# KiCad board fella.kicad_pcb (continued)
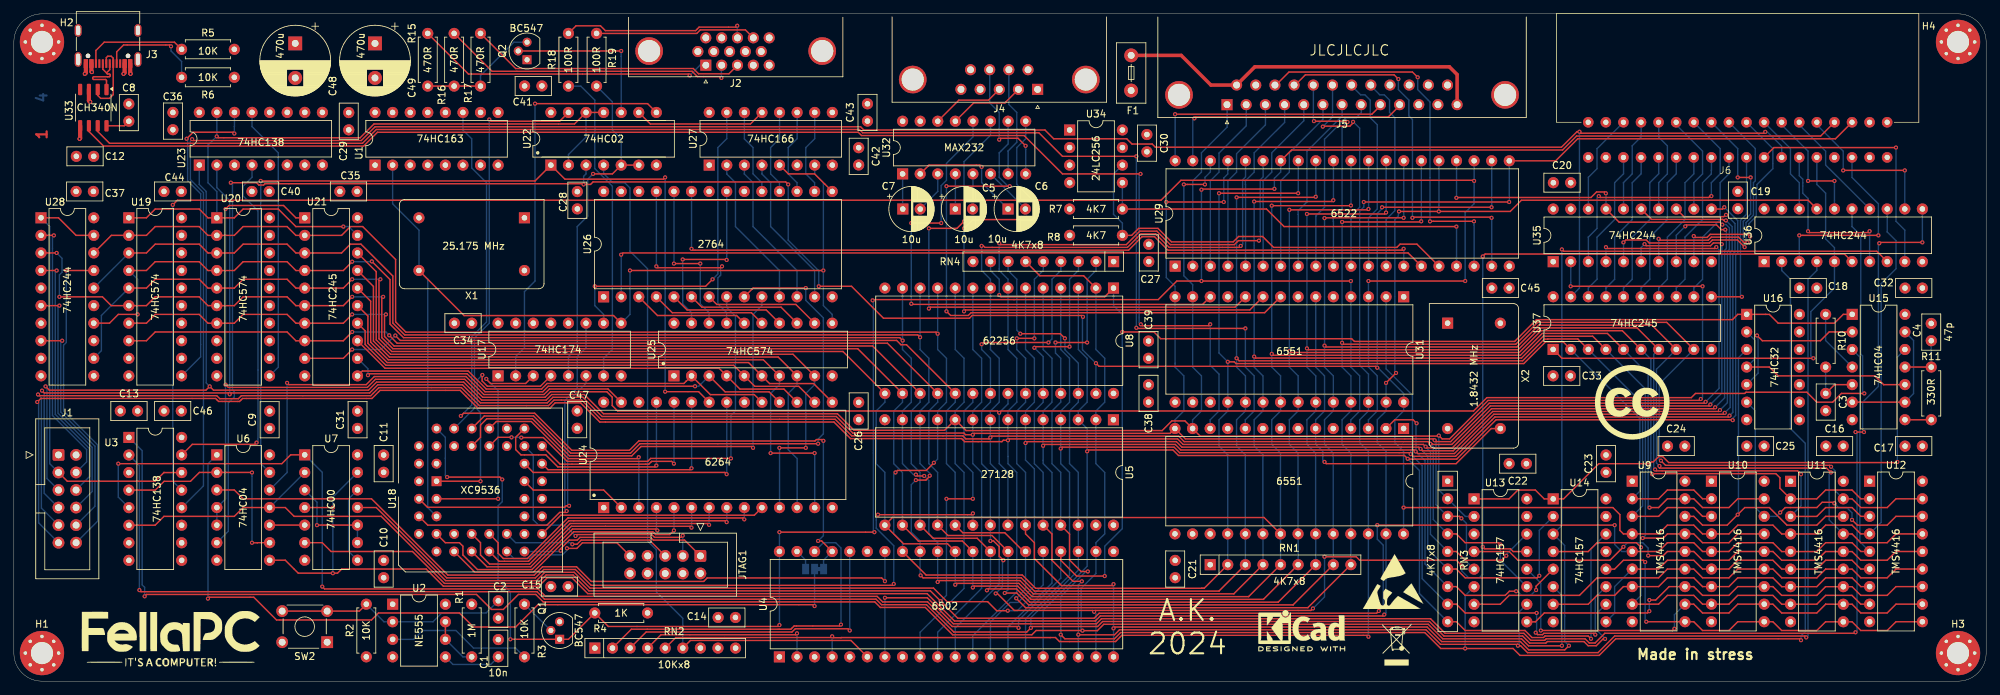
[diagram p0: board, top side]
## Nets
GND: C1.2 C2.2 C3.2 C4.2 C8.2 C9.2 C10.2 C11.2 C12.2 C13.2 C14.2 C15.2 C16.2 C17.2 C18.2 C19.2 C20.2 C21.2 C22.2 C23.2 C24.2 C25.2 C26.2 C27.2 C28.2 C29.2 C30.2 C31.2 C32.2 C33.2 C34.2 C35.2 C36.2 C37.2 C38.2 C39.2 C40.2 C41.2 C42.2 C43.2 C44.2 C45.2 C46.2 C47.2 C48.2 C49.2 H1.1 H2.1 H3.1 H4.1 J1.2 J2.0 J2.5 J2.6 J2.7 J2.8 J2.10 J3.A1 J3.A12 J3.B1 J3.B12 J3.S1 J4.0 J4.5 J5.0 J5.11 J5.12 J5.15 J5.22 J5.23 J5.24 J5.25 J6.1 J6.18 J6.19 J6.33 J6.36 JTAG1.10 Q1.3 R5.2 R6.2 SW2.1 U1.8 U2.1 U3.3 U3.8 U4.21 U5.14 U6.7 U7.7 U8.14 U9.1 U9.18 U10.1 U10.18 U11.1 U11.18 U12.1 U12.18 U13.3 U13.8 U13.15 U14.8 U14.13 U14.15 U15.7 U16.7 U16.9 U16.10 U16.12 U16.13 U17.8 U18.10 U18.23 U18.31 U19.9 U19.10 U20.8 U20.9 U20.10 U21.10 U22.7 U23.3 U23.5 U23.8 U24.1 U24.14 U24.20 U25.1 U25.10 U26.14 U26.20 U26.22 U27.6 U27.8 U28.10 U28.11 U28.13 U28.15 U29.1 U30.1 U30.16 U30.17 U31.1 U31.16 U31.17 U32.15 U33.3 U34.1 U34.2 U34.3 U34.4 U34.7 U35.1 U35.10 U35.19 U36.1 U36.10 U36.19 U37.10 X1.7 X2.7
VCC: C9.1 C10.1 C11.1 C12.1 C13.1 C14.1 C15.1 C16.1 C17.1 C18.1 C19.1 C20.1 C21.1 C22.1 C23.1 C24.1 C25.1 C26.1 C27.1 C28.1 C29.1 C30.1 C31.1 C32.1 C33.1 C34.1 C35.1 C36.1 C37.1 C38.1 C39.1 C40.1 C41.1 C42.1 C43.1 C44.1 C45.1 C46.1 C47.1 C48.1 C49.1 F1.2 J1.1 J3.A4 J3.A9 J3.B4 J3.B9 J6.2 J6.17 J6.20 J6.35 JTAG1.4 Q2.1 R1.1 R2.1 R4.2 R7.2 R8.2 RN1.1 RN2.1 RN3.1 RN4.1 U1.1 U1.3 U1.4 U1.5 U1.6 U1.7 U1.9 U1.10 U1.16 U2.4 U2.8 U3.16 U4.8 U5.1 U5.27 U5.28 U6.14 U7.14 U8.28 U9.9 U10.9 U11.9 U12.9 U13.16 U14.16 U15.14 U16.14 U17.1 U17.13 U17.14 U17.16 U18.21 U18.32 U18.41 U19.20 U20.20 U21.20 U22.14 U23.6 U23.16 U24.26 U24.28 U25.20 U26.1 U26.27 U26.28 U27.1 U27.9 U27.16 U28.20 U29.20 U30.15 U31.15 U32.16 U33.5 U34.8 U35.20 U36.20 U37.20 X1.1 X1.14 X2.1 X2.14
/clock//RST: J6.15 Q1.1 R4.1 U4.40 U18.39 U29.34 U30.4 U31.4
/clock/CLK: JP1.1 JP1.2 U1.11 U4.37 U6.1
/clock/PCLK: U1.2 U17.9 U18.5 U25.11 U27.7 X1.8
/cpu//IO0: U3.15 U23.4
/cpu//IO1: J1.3 U3.14 U28.1 U28.19
/cpu//IO2: U3.13 U29.23 U30.3 U31.3
/cpu//IO3: J6.30 U3.12 U37.19
/cpu//IRQ: J6.16 RN2.5 U4.4 U29.21 U30.26 U31.26
/cpu//NMI: RN2.6 U4.6 U22.4
/cpu//PH2: U3.4 U6.2 U6.9
/cpu//RAMCS: U7.6 U8.20 U9.5 U10.5 U11.5 U12.5 U15.3
/cpu//RD: U5.22 U6.4 U6.5 U8.22 U21.1 U36.15
/cpu//ROMCS: U5.20 U7.11
/cpu//SYNC: U4.7 U36.11
/cpu/A0: J1.5 RN3.2 U4.9 U5.10 U8.10 U13.2 U23.1 U29.38 U30.13 U31.13 U35.2
/cpu/A1: J1.7 RN3.3 U4.10 U5.9 U8.9 U13.5 U23.2 U29.37 U30.14 U31.14 U35.4
/cpu/A2: J1.9 RN3.4 U4.11 U5.8 U8.8 U13.11 U29.36 U35.6
/cpu/A3: J1.11 RN3.5 U4.12 U5.7 U8.7 U13.14 U29.35 U35.8
/cpu/A4: RN3.6 U4.13 U5.6 U8.6 U14.2 U29.24 U35.17
/cpu/A5: RN3.7 U4.14 U5.5 U8.5 U14.5 U30.2 U35.15
/cpu/A6: RN3.8 U4.15 U5.4 U8.4 U14.11 U31.2 U35.13
/cpu/A7: RN3.9 U4.16 U5.3 U8.3 U14.14 U35.11
/cpu/A8: RN4.2 U4.17 U5.25 U8.25 U13.6 U36.2
/cpu/A9: RN4.3 U4.18 U5.24 U8.24 U13.10 U36.4
/cpu/A10: RN4.4 U4.19 U5.21 U8.21 U13.13 U36.6
/cpu/A11: RN4.5 U4.20 U5.23 U8.23 U14.3 U36.8
/cpu/A12: RN4.6 U3.1 U4.22 U5.2 U8.2 U14.6
/cpu/A13: RN4.7 U3.2 U4.23 U5.26 U8.26 U14.10
/cpu/A14: RN4.8 U3.5 U4.24 U7.1 U8.1 U15.1 U16.1
/cpu/A15: U3.6 U4.25 U6.11 U7.2
/cpu/D0: RN1.2 U4.33 U5.11 U8.11 U9.2 U10.2 U19.2 U20.2 U21.2 U28.18 U29.33 U30.18 U31.18 U37.2
/cpu/D1: RN1.3 U4.32 U5.12 U8.12 U9.3 U10.3 U19.3 U20.3 U21.3 U28.16 U29.32 U30.19 U31.19 U37.3
/cpu/D2: RN1.4 U4.31 U5.13 U8.13 U9.15 U10.15 U19.4 U20.4 U21.4 U28.14 U29.31 U30.20 U31.20 U37.4
/cpu/D3: RN1.5 U4.30 U5.15 U8.15 U9.17 U10.17 U19.5 U20.5 U21.5 U28.12 U29.30 U30.21 U31.21 U37.5
/cpu/D4: RN1.6 U4.29 U5.16 U8.16 U11.2 U12.2 U19.6 U20.6 U21.6 U28.3 U29.29 U30.22 U31.22 U37.6
/cpu/D5: RN1.7 U4.28 U5.17 U8.17 U11.3 U12.3 U19.7 U20.7 U21.7 U29.28 U30.23 U31.23 U37.7
/cpu/D6: RN1.8 U4.27 U5.18 U8.18 U11.15 U12.15 U19.8 U21.8 U29.27 U30.24 U31.24 U37.8
/cpu/D7: RN1.9 U4.26 U5.19 U8.19 U11.17 U12.17 U21.9 U29.26 U30.25 U31.25 U37.9
/cpu/PH2: U6.8 U7.4 U7.13 U29.25 U30.27 U31.27 U36.17
/cpu/R/W: U6.6 U8.27 U9.4 U10.4 U11.4 U12.4 U22.3 U29.22 U30.28 U31.28 U36.13
/io/ROMSEL0: U26.23 U29.14
/io/ROMSEL1: U26.2 U29.15
/io/RX: U30.12 U33.6
/io/TX: U30.10 U33.7
/io/~{CTS}: U30.9
/io/~{RTS}: U30.8
/memory/DA0: U9.14 U10.14 U11.14 U12.14 U13.4
/memory/DA1: U9.13 U10.13 U11.13 U12.13 U13.7
/memory/DA2: U9.12 U10.12 U11.12 U12.12 U13.9
/memory/DA3: U9.11 U10.11 U11.11 U12.11 U13.12
/memory/DA4: U9.8 U10.8 U11.8 U12.8 U14.4
/memory/DA5: U9.7 U10.7 U11.7 U12.7 U14.7
/memory/DA6: U9.6 U10.6 U11.6 U12.6 U14.9
/memory/DA7: U9.10 U10.10 U11.10 U12.10 U14.12
/vga/BLANK: U17.2 U22.8
/vga/COL3: U18.18 U19.19 U24.10
/vga/COL4: U18.14 U19.18 U24.9
/vga/COL5: U18.13 U19.17 U24.8
/vga/COL6: U18.12 U19.16 U24.7
/vga/COL7: U18.11 U19.15 U24.6
/vga/COL8: U18.9 U19.14 U24.5
/vga/COL9: U18.8 U19.13 U24.4
/vga/GD0: U21.18 U24.11 U25.9
/vga/GD1: U21.17 U24.12 U25.8
/vga/GD2: U21.16 U24.13 U25.7
/vga/GD3: U21.15 U24.15 U25.6
/vga/GD4: U21.14 U24.16 U25.5
/vga/GD5: U21.13 U24.17 U25.4
/vga/GD6: U21.12 U24.18 U25.3
/vga/GD7: U21.11 U24.19 U25.2
/vga/HSYNC: R18.1 U17.7
/vga/ROW0: U18.36 U26.10
/vga/ROW1: U18.35 U26.9
/vga/ROW2: U18.34 U26.8
/vga/ROW3: U18.33 U20.19 U24.3
/vga/ROW4: U18.29 U20.18 U24.25
/vga/ROW5: U18.28 U20.17 U24.24
/vga/ROW6: U18.27 U20.16 U24.21
/vga/ROW7: U18.26 U20.15 U24.23
/vga/ROW8: U18.25 U20.14 U24.2
/vga/VSYNC: R19.1 U17.5 U22.5 U22.6
/vga/~{LOAD}: U17.10 U27.15
Net-(C3-Pad1): C3.1 R10.2 U15.5
Net-(C4-Pad1): C4.1 R11.2 U15.11
Net-(J1-Pin_4): J1.4 U28.2
Net-(J1-Pin_6): J1.6 U28.4
Net-(J1-Pin_8): J1.8 U28.6
Net-(J1-Pin_10): J1.10 U28.8
Net-(J1-Pin_12): J1.12 U28.17
Net-(J2-Pad1): J2.1 R15.2
Net-(J2-Pad2): J2.2 R16.2
Net-(J2-Pad3): J2.3 R17.2
Net-(J2-Pad13): J2.13 R18.2
Net-(J2-Pad14): J2.14 R19.2
Net-(J3-CC1): J3.A5 R6.1
Net-(J3-CC2): J3.B5 R5.1
Net-(J5-P14): F1.1 J5.13 J5.14
Net-(J5-P16): J5.16 U29.18
Net-(J5-P17): J5.17 U29.19
Net-(J5-P18): J5.18 U29.10
Net-(J5-P19): J5.19 U29.11
Net-(J5-P20): J5.20 U29.12
Net-(J5-P21): J5.21 U29.13
Net-(J6-Pin_3): J6.3 U35.18
Net-(J6-Pin_4): J6.4 U35.16
Net-(J6-Pin_5): J6.5 U35.14
Net-(J6-Pin_6): J6.6 U35.12
Net-(J6-Pin_7): J6.7 U35.3
Net-(J6-Pin_8): J6.8 U35.5
Net-(J6-Pin_9): J6.9 U35.7
Net-(J6-Pin_10): J6.10 U35.9
Net-(J6-Pin_11): J6.11 U36.18
Net-(J6-Pin_12): J6.12 U36.16
Net-(J6-Pin_13): J6.13 U36.14
Net-(J6-Pin_14): J6.14 U36.12
Net-(J6-Pin_21): J6.21 U37.18
Net-(J6-Pin_22): J6.22 U37.17
Net-(J6-Pin_23): J6.23 U37.16
Net-(J6-Pin_24): J6.24 U37.15
Net-(J6-Pin_25): J6.25 U37.14
Net-(J6-Pin_26): J6.26 U37.13
Net-(J6-Pin_27): J6.27 U37.12
Net-(J6-Pin_28): J6.28 U37.11
Net-(J6-Pin_29): J6.29 U36.9
Net-(J6-Pin_31): J6.31 U36.7
Net-(J6-Pin_32): J6.32 U36.5 U37.1
Net-(J6-Pin_34): J6.34 U36.3
Net-(JP1-B): JP1.3 U4.39
Net-(JTAG1-Pin_1): JTAG1.1 U18.17
Net-(JTAG1-Pin_3): JTAG1.3 U18.30
Net-(JTAG1-Pin_5): JTAG1.5 U18.16
Net-(JTAG1-Pin_9): JTAG1.9 U18.15
Net-(Q1-B): Q1.2 R3.2
Net-(Q2-B): Q2.2 U22.10
Net-(Q2-E): Q2.3 R15.1 R16.1 R17.1
Net-(R10-Pad1): R10.1 U15.4
Net-(R11-Pad1): R11.1 U15.8
Net-(RN2-R1): RN2.2 U4.38
Net-(RN2-R2): RN2.3 U4.36
Net-(RN2-R3): RN2.4 U4.2
Net-(U2-CV): C1.1 U2.5
Net-(U2-DIS): R1.2 U2.6 U2.7
Net-(U2-Q): R3.1 U2.3
Net-(U2-TR): C2.1 R2.2 SW2.2 U2.2
Net-(U4-R/~{W}): U4.34 U6.3
Net-(U6-Pad10): U6.10 U7.5
Net-(U7-Pad10): U7.3 U7.9 U7.10
Net-(U7-Pad12): U7.8 U7.12
Net-(U10-~{CAS}): U10.16 U12.16 U16.6
Net-(U11-~{CAS}): U9.16 U11.16 U16.3
Net-(U13-S): U13.1 U14.1 U15.12
Net-(U15-Pad2): U15.2 U16.5
Net-(U15-Pad10): U15.10 U16.2 U16.4
Net-(U15-Pad13): U15.6 U15.9 U15.13
Net-(U17-D0): U17.3 U18.3
Net-(U17-D1): U17.4 U18.1
Net-(U17-D2): U17.6 U18.2
Net-(U17-D3): U17.11 U18.4
Net-(U18-M8-Pad37): U18.37 U22.13
Net-(U19-Cp): U19.11 U23.14
Net-(U19-OE): U19.1 U20.1 U21.19 U22.2 U22.11 U22.12 U23.15
Net-(U20-Cp): U20.11 U23.13
Net-(U24-~{OE}): U6.13 U22.1 U24.22
Net-(U24-~{WR}): U6.12 U24.27
Net-(U25-Q0): U25.19 U26.21
Net-(U25-Q1): U25.18 U26.24
Net-(U25-Q2): U25.17 U26.25
Net-(U25-Q3): U25.16 U26.3
Net-(U25-Q4): U25.15 U26.4
Net-(U25-Q5): U25.14 U26.5
Net-(U25-Q6): U25.13 U26.6
Net-(U25-Q7): U25.12 U26.7
Net-(U26-D0): U26.11 U27.2
Net-(U26-D1): U26.12 U27.3
Net-(U26-D2): U26.13 U27.4
Net-(U26-D3): U26.15 U27.5
Net-(U26-D4): U26.16 U27.10
Net-(U26-D5): U26.17 U27.11
Net-(U26-D6): U26.18 U27.12
Net-(U26-D7): U26.19 U27.14
Net-(U27-Qh): U22.9 U27.13
Net-(U29-CA1): J5.9 U29.40
Net-(U29-CA2): J5.10 U29.39
Net-(U29-PA0): J5.1 U29.2
Net-(U29-PA1): J5.2 U29.3
Net-(U29-PA2): J5.3 U29.4
Net-(U29-PA3): J5.4 U29.5
Net-(U29-PA4): J5.5 U29.6
Net-(U29-PA5): J5.6 U29.7
Net-(U29-PA6): J5.7 U29.8
Net-(U29-PA7): J5.8 U29.9
Net-(U29-PB6): R8.1 U29.16 U34.6
Net-(U29-PB7): R7.1 U29.17 U34.5
Net-(U30-XTAL1): U30.6 U31.6 X2.8
Net-(U31-RxD): U31.12 U32.12
Net-(U31-TxD): U31.10 U32.11
Net-(U31-~{CTS}): U31.9 U32.9
Net-(U31-~{RTS}): U31.8 U32.10
Net-(U32-C1+): C7.1 U32.1
Net-(U32-C1-): C7.2 U32.3
Net-(U32-C2+): C5.1 U32.4
Net-(U32-C2-): C5.2 U32.5
Net-(U32-R1IN): J4.2 U32.13
Net-(U32-R2IN): J4.8 U32.8
Net-(U32-T1OUT): J4.3 U32.14
Net-(U32-T2OUT): J4.7 U32.7
Net-(U32-VS+): C6.1 U32.2
Net-(U32-VS-): C6.2 U32.6
Net-(U33-UD+): J3.A6 J3.B6 U33.1
Net-(U33-UD-): J3.A7 J3.B7 U33.2
Net-(U33-V3): C8.1 U33.8

Pads without a net: J2 4 9 11 12 15; J3 A8 B8; J4 1 4 6 9; JTAG1 2 6 7 8; RN2 7 8 9; RN4 9; U1 12 13 14 15; U3 7 9 10 11; U4 1 3 5 35; U16 8 11; U17 12 15; U18 6 7 19 20 22 24 38 40 42 43 44; U19 12; U20 12 13; U23 7 9 10 11 12; U26 26; U28 5 7 9; U30 5 7 11; U31 5 7 11; U33 4

## Via types
v1: diameter 0.6, hole 0.3, Top to Bottom, 386 vias

## Routing (per net, layer and track width the routed paths; a pad name or vN(x,y) marks a point on that pad's centre or on a via; arc(x,y) is an arc through that point)
GND: length 11.9
  Top w0.6: 16.8,89.32 16.8,87.91 v1(16.86,87.85) ; v1(10.26,87.85) 10.41,87.99 J3.A12 ; v1(11.02,83.78) 10.84,83.96 U33.3
  In2.Cu w0.5: J2.10 109.12,89.92 J2.5 ; J2.8 J2.7 J2.6
VCC: length 4.7
  Top w0.6: U33.5 9.58,78.53 v1(9.5,78.45) ; v1(15.85,87.85) 16,88 16,89.32 ; J3.A9 11.2,88.17 v1(11.28,88.1)
/clock//RST: length 345.1
  Top w0.2: v1(62.58,29.52) 70.2,29.52 v1(70.55,29.17) ; v1(71.73,6.06) Q1.1 80.11,6.06 R4.1 85.88,7.91 110.39,7.91 v1(110.59,8.11) ; v1(171.55,71.08) 171.64,71.17 182.06,71.17 v1(182.09,71.21) ; v1(124.31,21.55) v1(110.59,21.55) ; J6.15 261,78.85 225.74,78.85 223.72,76.83 184.56,76.83 U29.34 ; v1(124.05,55.08) 124.16,55.19 165.31,55.19 167.99,57.87 v1(171.55,57.87) v1(193.14,57.87)
  Bottom w0.2: v1(71.73,6.06) 71.73,12.92 69.95,14.69 69.95,25.36 70.55,25.96 v1(70.55,29.17) ; U18.39 62.33,35.27 62.33,29.77 v1(62.58,29.52) ; v1(110.59,21.55) U4.40 v1(110.59,8.11) ; v1(124.05,55.08) 124.16,54.97 124.16,21.7 v1(124.31,21.55) ; U30.4 193.13,37.8 194.41,39.08 194.41,44.16 193.14,45.43 193.15,45.43 U31.4 193.15,57.87 v1(193.14,57.87) ; v1(171.55,57.87) v1(171.55,71.08) ; U29.34 183,73.64 182.09,72.73 v1(182.09,71.21)
/clock/CLK: length 242.6
  Top w0.2: v1(28.04,11.94) 28.24,12.14 34.66,12.14 37.95,8.85 51.66,8.85 52.68,9.87 64.36,9.87 66.39,7.84 72.49,7.84 75.72,11.06 115.47,11.06 v1(115.67,10.86) ; v1(116.94,34.76) 116.76,34.94 115.93,34.94 115.73,34.74 90.28,34.74 88.92,33.39 80.6,33.39 75.24,38.75 64.97,38.75 v1(64.57,38.36) ; U4.37 116.69,20.28 v1(116.18,20.28)
  Bottom w0.2: v1(115.67,10.86) JP1.2 JP1.1 116.97,17.52 U4.37 ; v1(116.18,20.28) 116.94,21.04 v1(116.94,34.76) ; v1(28.04,11.94) 28.04,31.45 U6.1 ; v1(64.57,38.36) 66.14,39.93 66.14,49.8 68.28,51.94 68.28,72.1 66.14,74.24 66.14,78.45 64.88,79.71 U1.11
/clock/PCLK: length 145.8
  Top w0.2: U17.9 86.63,52.88 65.04,52.88 X1.8 ; v1(89,59.4) v1(116.94,59.4)
  Bottom w0.2: U25.11 118.22,53.04 116.94,54.32 v1(116.94,59.4) 116.94,72.1 115.67,73.37 115.69,73.39 U27.7 ; v1(89,59.4) 89,53.05 U17.9 ; U1.2 54.72,69.05 58.52,65.24 X1.8 59.79,58.13 59.79,25.11 U18.5
/cpu//IO0: length 53.2
  Top w0.2: v1(35.06,34.51) 34.81,34.25 25.78,34.25 U3.15
  Bottom w0.2: v1(35.06,34.51) 35.26,34.71 35.26,68.03 33.12,70.17 33.12,71.59 34.41,72.88 U23.4
/cpu//IO1: length 65.4
  Top w0.2: U28.19 8.99,64.48 6.45,67.02 U28.1 ; J1.3 7.72,28.92 20.42,28.92 21.69,30.19 21.7,30.17 U3.14
  Bottom w0.2: U28.1 5.18,65.76 5.18,31.46 J1.3
/cpu//IO2: length 285.6
  Top w0.2: v1(195.68,57.87) v1(209.65,57.87) ; v1(22.96,68.89) 23.63,69.56 165.71,69.56 168.59,72.44 210.85,72.44 v1(210.94,72.35)
  Bottom w0.2: U30.3 195.67,37.8 196.95,39.08 196.95,44.16 195.68,45.43 195.68,45.43 195.68,57.87 v1(195.68,57.87) ; U3.13 22.96,28.91 v1(22.96,68.89) ; v1(209.65,57.87) 209.65,67.78 210.92,69.05 210.92,69.56 210.94,69.58 v1(210.94,72.35) U29.23
/cpu//IO3: length 315.2
  Top w0.2: v1(253,79.45) 252.8,79.25 226.38,79.25 v1(226.16,79.46) 225.79,79.46 223.55,77.23 164.9,77.23 164.44,77.69 161.52,77.69 160.76,78.45 150.21,78.45 148.94,79.72 122.78,79.72 122.31,80.19 52.19,80.19 50.2,78.19 25.95,78.19 v1(25.75,78.39)
  Bottom w0.2: U3.12 27.39,28.24 27.39,70.66 25.5,72.55 25.5,78.14 v1(25.75,78.39) ; J6.30 255.37,77.36 253.28,79.45 v1(253,79.45) ; U37.19 226.16,56.86 v1(226.16,79.46)
/cpu//IRQ: length 249.5
  Top w0.2: J6.16 263.14,78.45 225.91,78.45 222.72,75.26 U29.21 ; RN2.5 95.62,6.31 118.03,6.31 v1(118.21,6.49) 118.41,6.29 119.48,6.29 119.5,6.31 149.7,6.31 149.71,6.31 150.47,6.31 151.05,5.73 159.14,5.73 160.05,6.63 195.48,6.63 v1(195.68,6.43) ; v1(195.01,69.3) v1(216,69.3)
  Bottom w0.2: v1(195.01,69.3) 195.01,68.58 194.41,67.98 194.41,45.68 195.68,44.41 195.68,39.08 194.41,37.81 194.41,34.51 195.67,33.25 U30.26 195.67,7.08 195.68,7.07 v1(195.68,6.43) ; v1(216,69.3) 216.02,69.32 U29.21 ; v1(118.21,6.49) U4.4
/cpu//NMI: length 103.7
  Top w0.2: U4.6 120.92,5.89 97.73,5.89 RN2.6
  Bottom w0.2: RN2.6 96.63,9.09 92.81,12.92 92.81,19.01 91.54,20.28 91.54,59.65 89,62.19 89,71.34 88.24,72.1 86.52,72.1 85.19,73.42 U22.4
/cpu//PH2: length 31.6
  Top w0.2: 36.94,20.03 35.18,20.03 35.16,20.01 v1(34.4,20.01) ; U3.4 20.43,27.63 21.7,28.9 25.51,28.9 26.8,30.19 U6.2 34.38,30.19 v1(34.4,30.17)
  Bottom w0.2: v1(34.4,20.01) v1(34.4,30.17)
/cpu//RAMCS: length 317.2
  Top w0.2: v1(197.18,10.15) 196.86,9.83 156.78,9.83 156.06,9.11 136.35,9.11 v1(133.89,11.57) 132.4,13.06 83.07,13.06 80.78,15.35 76.87,15.35 75.67,14.14 62.2,14.14 57.58,18.76 45.82,18.76 44.55,20.03 U7.6 ; v1(138.53,26.38) v1(134.72,26.38) ; U12.5 266.8,18.76 265.53,20.03 261.72,20.03 260.44,18.75 U11.5 255.38,18.75 254.1,20.03 249.02,20.03 247.75,18.76 U10.5 243.94,18.76 242.67,20.03 238.86,20.03 237.59,18.76 U9.5 ; v1(196.95,22.57) v1(231.24,22.57)
  Bottom w0.2: v1(231.24,22.57) 231.24,19.77 232.26,18.76 U9.5 ; v1(134.72,26.38) 134.72,12.41 v1(133.89,11.57) ; U12.5 266.66,20.17 266.66,46.87 U15.3 ; v1(197.18,10.15) 197.81,10.78 197.81,19.68 196.95,20.54 v1(196.95,22.57) ; v1(138.53,26.38) 138.53,30.19 137.26,31.46 137.26,39.08 138.53,40.35 U8.20
/cpu//RD: length 349.3
  Top w0.2: U21.1 40.75,67.01 38.96,68.8 31.09,68.8 v1(30.58,68.29) ; v1(30.58,42.89) 30.98,42.49 51.07,42.49 52.24,43.66 65.14,43.66 67.74,41.06 76.73,41.06 77.53,41.86 85.66,41.86 86.44,41.09 86.44,39.86 87.22,39.08 142.09,39.08 v1(142.34,38.82) 142.59,39.08 210.86,39.08 212.79,41.01 242.31,41.01 242.92,41.62 250.04,41.62 250.21,41.79 259,41.79 260.45,40.35 262.74,40.35 264.01,41.62 v1(267.31,41.62)
  Bottom w0.2: U8.22 143.61,40.09 v1(142.34,38.82) 142.34,31.45 143.62,30.17 143.6,30.15 U5.22 ; v1(30.58,68.29) v1(30.58,42.89) 30.58,26.37 U6.4 U6.5 ; 265.53,68.3 265.53,65.75 265.53,65.75 266.8,64.48 266.8,47.3 267.06,47.04 267.06,41.87 v1(267.31,41.62)
/cpu//ROMCS: length 109.9
  Top w0.2: U7.11 52.36,25.11 62.53,14.94 75.34,14.94 76.54,16.15 81.12,16.15 83.4,13.86 126.91,13.86 v1(127.11,14.06) ; v1(138.54,24.27) 138.35,24.08 v1(124.82,24.08)
  Bottom w0.2: v1(127.11,14.06) 127.11,19.6 124.57,22.14 124.57,23.82 v1(124.82,24.08) ; v1(138.54,24.27) 138.54,22.59 U5.20
/cpu//SYNC: length 222.7
  Top w0.2: v1(125.83,12.06) 131.96,12.06 135.72,8.31 156.39,8.31 157.11,9.03 204.65,9.03 206.75,6.93 218.12,6.93 219.14,5.91 221.14,5.91 221.35,6.13 226.98,6.13 227.58,5.53 228.42,5.53 229.82,6.93 265.89,6.93 v1(266.04,7.07) ; v1(266.04,36.03) v1(267.26,36.03) ; v1(275.69,63.46) 269.59,63.46 v1(269.47,63.34)
  Bottom w0.2: 275.7,68.3 275.7,63.47 v1(275.69,63.46) ; U4.7 v1(125.83,12.06) ; v1(266.04,7.07) 266.26,7.3 266.26,35.81 v1(266.04,36.03) ; v1(269.47,63.34) 269.34,63.21 269.34,42.63 267.06,40.35 267.06,36.23 v1(267.26,36.03)
/cpu/A0: length 452.4
  Top w0.2: v1(4.58,42.63) 5.13,42.09 27.75,42.09 v1(28.29,42.63) 28.84,42.09 51.23,42.09 52.4,43.26 64.97,43.26 67.57,40.66 76.9,40.66 77.7,41.46 82.4,41.46 85.18,38.68 118.97,38.68 121.37,36.28 134.46,36.28 U5.10 137.54,36.24 165.87,36.24 167.27,37.64 169.17,37.64 U30.13 171.37,35.44 205.76,35.44 v1(205.84,35.52) 206.32,35.04 207.39,35.04 212.96,40.61 243.49,40.61 v1(243.69,40.81) ; v1(169.01,71.84) v1(172.06,71.84) ; v1(243.94,57.11) v1(224.89,57.11)
  Bottom w0.2: U13.2 209.68,23.82 RN3.2 205.84,27.66 v1(205.84,35.52) ; v1(172.06,71.84) 172.06,72.86 172.84,73.64 U29.38 ; v1(243.69,40.81) 243.94,41.06 v1(243.94,57.11) ; v1(224.89,57.11) 224.89,57.62 224.91,57.64 U35.2 ; U4.9 130.91,7.07 137.26,13.42 137.26,30.19 135.98,31.47 U5.10 135.98,39.07 137.26,40.35 137.26,46.7 135.99,47.97 U8.10 ; U30.13 170.27,37.8 171.55,39.08 171.55,44.16 170.28,45.43 170.28,45.43 170.28,57.36 169.01,58.64 v1(169.01,71.84) ; v1(28.29,42.63) 27.79,43.14 27.79,70.83 26.77,71.84 26.79,71.86 U23.1 ; v1(4.58,42.63) 4.78,42.43 4.78,29.32 J1.5
/cpu/A1: length 470.1
  Top w0.2: v1(166.47,69.3) v1(174.78,69.3) ; v1(245.92,62.78) 245.72,62.58 230.18,62.58 v1(229.98,62.78) ; v1(209.11,23.55) 208.82,23.84 RN3.3 ; v1(244.38,40.41) 244.18,40.21 213.12,40.21 207.56,34.64 205.44,34.64 v1(205.24,34.84) 205.04,35.04 169.23,35.04 U30.14 167.03,35.84 138.72,35.84 v1(138.52,35.64) 137.49,35.64 137.25,35.88 121.2,35.88 118.81,38.28 84.97,38.28 82.19,41.06 77.86,41.06 77.06,40.26 67.41,40.26 64.81,42.86 52.57,42.86 51.4,41.69 31.38,41.69 v1(31.18,41.49) 30.98,41.69 4.4,41.69 v1(4.07,42.02)
  Bottom w0.2: v1(166.47,69.3) 166.47,58.38 167.75,57.11 U31.14 167.75,45.94 167.74,45.94 167.74,45.43 169.01,44.16 169.01,39.08 167.73,37.8 U30.14 ; v1(244.38,40.41) 246.33,42.35 246.33,62.38 v1(245.92,62.78) ; v1(174.78,69.3) 174.78,72.79 175.36,73.37 175.36,73.88 175.38,73.9 U29.37 ; U23.2 29.33,71.37 31.18,69.52 v1(31.18,41.49) ; J1.7 4.38,27.18 4.38,41.71 v1(4.07,42.02) ; U4.10 133.45,7.07 139.8,13.42 139.8,30.19 138.52,31.47 U5.9 138.52,39.07 139.8,40.35 139.8,46.7 138.53,47.97 U8.9 ; U13.5 209.84,17.3 209.84,22.82 v1(209.11,23.55) ; v1(205.24,34.84) 205.25,34.84 205.44,34.65 205.44,25.52 RN3.3 ; v1(229.98,62.78) U35.4
/cpu/A2: length 453.6
  Top w0.2: v1(246.72,63.21) 246.55,63.38 245.5,63.38 245.1,62.98 235.79,62.98 v1(235.56,63.21) ; v1(177.23,62.95) 177.01,62.74 166.89,62.74 164.94,64.69 162.81,64.69 160.86,62.74 140.27,62.74 140.05,62.95 v1(139.8,62.95) ; v1(245.07,40.01) 244.87,39.81 213.29,39.81 207.72,34.24 204.99,34.24 204.9,34.34 v1(204.62,34.34) 204.31,34.64 169.06,34.64 168.26,35.44 141.26,35.44 v1(141.06,35.24) 140.86,35.04 137.52,35.04 137.08,35.48 121.03,35.48 118.64,37.88 84.81,37.88 82.03,40.66 78.03,40.66 77.23,39.86 67.24,39.86 64.64,42.46 52.73,42.46 51.56,41.29 32.87,41.29 32.43,40.86 29.74,40.86 29.31,41.29 3.67,41.29 v1(3.49,41.46) ; RN3.4 208.38,21.3 209.65,20.03 214.48,20.03 v1(214.73,19.77)
  Bottom w0.2: U13.11 214.73,17.49 v1(214.73,19.77) ; v1(139.8,62.95) 139.8,59.4 141.07,58.13 U8.8 141.07,47.97 142.34,46.7 142.34,40.35 141.06,39.07 U5.8 141.06,31.47 142.34,30.19 142.34,14.06 135.99,7.71 U4.11 ; v1(246.72,63.21) 246.72,41.66 v1(245.07,40.01) ; v1(177.23,62.95) 177.52,63.24 177.52,64.48 177.5,64.5 177.5,72.52 177.92,72.94 U29.36 ; v1(204.62,34.34) 205.04,33.92 205.04,23.38 RN3.4 ; J1.9 3.98,25.04 3.98,40.98 v1(3.49,41.46) ; U35.6 235.07,62.72 v1(235.56,63.21)
/cpu/A3: length 456.1
  Top w0.2: v1(215.58,18.14) 214.93,17.49 209.65,17.49 208.38,18.76 RN3.5 ; v1(241.44,65.79) 241.64,65.99 245.97,65.99 246.65,65.3 v1(247.22,65.3) ; v1(245.76,39.61) 245.56,39.41 213.46,39.41 207.79,33.74 204.12,33.74 v1(203.94,33.92) 203.61,34.24 168.9,34.24 168.1,35.04 143.8,35.04 v1(143.6,34.84) 142.93,34.84 142.73,34.64 137.35,34.64 136.91,35.08 120.87,35.08 118.47,37.48 85.44,37.48 84.64,37.48 81.86,40.26 78.2,40.26 77.4,39.46 67.08,39.46 64.48,42.06 52.9,42.06 51.73,40.89 33.03,40.89 32.6,40.46 29.58,40.46 29.14,40.89 3.89,40.89 v1(3.38,40.38) ; v1(142.34,63.34) 142.54,63.14 160.7,63.14 162.65,65.09 165.11,65.09 167.06,63.14 176.31,63.14 176.88,63.72 v1(179.86,63.72)
  Bottom w0.2: v1(142.34,63.34) 142.34,59.4 143.61,58.13 U8.7 143.61,47.97 144.88,46.7 144.88,40.35 143.6,39.07 U5.7 143.6,32.48 143.61,32.47 143.61,31.46 144.88,30.19 144.88,12.92 138.53,6.57 U4.12 ; U29.35 180.46,72.94 180.04,72.52 180.04,65.01 180.06,64.99 180.06,63.92 v1(179.86,63.72) ; v1(203.94,33.92) 203.94,33.87 204.64,33.17 204.64,21.24 RN3.5 ; v1(215.58,18.14) 215.58,18.31 U13.14 ; U35.8 240.15,64.49 v1(241.44,65.79) ; J1.11 3.58,22.9 3.58,40.18 v1(3.38,40.38) ; v1(247.22,65.3) 247.38,65.15 247.38,62.56 247.12,62.31 247.12,40.97 v1(245.76,39.61)
/cpu/A4: length 279.5
  Top w0.2: RN3.6 208.38,16.22 209.65,14.95 220.06,14.95 v1(220.36,15.25) ; v1(246.45,39.21) 246.25,39.01 213.62,39.01 207.93,33.32 203.48,33.32 v1(203.2,33.6) 202.96,33.84 168.73,33.84 167.93,34.64 146.34,34.64 v1(146.14,34.44) ; v1(208.38,69.9) 208.43,69.96 227.83,69.96 228.63,70.76 229.77,70.76 v1(229.97,70.56) ; U35.17 231.89,66.39 246.44,66.39 v1(246.79,66.03)
  Bottom w0.2: v1(208.38,69.9) 208.4,69.92 U29.24 ; U4.13 141.07,8.54 143.91,11.38 145.04,11.38 147.42,13.76 147.42,30.7 146.14,31.98 U5.6 146.14,39.07 147.42,40.35 147.42,46.7 146.15,47.97 U8.6 ; U35.17 229.98,70.54 v1(229.97,70.56) ; RN3.6 204.24,19.1 204.24,32.55 203.2,33.59 v1(203.2,33.6) ; v1(246.79,66.03) 247.06,66.03 247.07,66.04 247.35,66.04 247.82,65.57 247.82,62.44 247.53,62.14 247.53,40.28 v1(246.45,39.21) ; U14.2 220.36,21.82 v1(220.36,15.25)
/cpu/A5: length 249.6
  Top w0.2: v1(247.31,66.64) 247.01,66.64 246.86,66.79 236.57,66.79 U35.15 ; U14.5 219.89,13.73 v1(219.89,13.18) ; RN3.7 208.38,13.68 209.65,12.41 215.43,12.41 216.03,13.01 v1(217.02,13.01) ; U30.2 199.47,37.81 202.12,37.81 v1(202.63,37.3) ; v1(247.15,38.81) 246.95,38.61 213.79,38.61 208.1,32.92 202.8,32.92 v1(202.5,33.22) 202.28,33.44 168.57,33.44 167.77,34.24 148.88,34.24 v1(148.68,34.04)
  Bottom w0.2: v1(247.31,66.64) 248.22,65.73 248.22,62.27 247.92,61.97 247.92,39.59 v1(247.15,38.81) ; v1(219.89,13.18) 219.12,12.41 217.78,12.41 217.18,13.01 v1(217.02,13.01) ; U8.5 148.69,47.97 149.96,46.7 149.96,40.35 148.68,39.07 U5.5 148.68,31.98 148.69,31.97 148.69,31.46 149.96,30.19 149.96,14.19 143.61,7.84 U4.14 ; v1(202.63,37.3) 202.54,37.21 202.54,33.26 v1(202.5,33.22) 202.52,33.22 203.84,31.9 203.84,16.96 RN3.7
/cpu/A6: length 276
  Top w0.2: U35.13 241.24,67.19 247.01,67.19 247.27,67.44 v1(247.34,67.44) ; v1(228.45,6.73) 228.25,6.93 221.02,6.93 220.82,6.73 220.12,6.73 v1(219.84,7.02) ; v1(219.97,9.87) 209.65,9.87 208.38,11.14 RN3.8 ; v1(247.84,38.41) 247.64,38.21 213.95,38.21 208.27,32.52 202.1,32.52 v1(201.78,32.84) 201.58,33.04 168.4,33.04 167.6,33.84 151.42,33.84 v1(151.22,33.64)
  Bottom w0.2: v1(247.84,38.41) 248.33,38.89 248.33,61.81 248.62,62.1 248.62,66.18 247.36,67.44 v1(247.34,67.44) ; v1(228.45,6.73) 228.45,12.12 U14.11 ; v1(219.84,7.02) 219.97,7.15 v1(219.97,9.87) ; RN3.8 203.44,14.82 203.44,31.18 v1(201.78,32.84) 201.78,33.35 202.03,33.6 202.03,41.36 198.22,45.17 U31.2 ; U8.4 151.23,47.97 152.5,46.7 152.5,40.35 151.22,39.07 U5.4 151.22,31.47 152.5,30.19 152.5,15.34 146.15,8.99 U4.15
/cpu/A7: length 251.6
  Top w0.2: v1(227.83,6.13) 227.43,6.53 221.19,6.53 220.97,6.31 219.3,6.31 218.29,7.33 209.65,7.33 208.38,8.6 RN3.9 ; v1(155.04,33.24) 155.24,33.44 167.44,33.44 168.24,32.64 200.87,32.64 v1(201.35,32.17) 201.47,32.17 201.52,32.12 208.43,32.12 214.12,37.81 248.24,37.81 v1(248.3,37.75) ; v1(247.08,68.54) 246.83,68.29 U35.11
  Bottom w0.2: v1(227.83,6.13) 227.83,19.13 U14.14 ; RN3.9 203.04,12.68 203.04,30.48 v1(201.35,32.17) ; U4.16 148.69,10.27 155.04,16.62 v1(155.04,33.24) 155.04,36.53 U5.3 153.76,39.07 155.04,40.35 155.04,46.7 153.77,47.97 U8.3 ; v1(248.3,37.75) 248.3,38.02 248.72,38.44 248.72,61.64 249.02,61.94 249.02,66.6 v1(247.08,68.54)
/cpu/A8: length 243.5
  Top w0.2: v1(155.14,15.87) 154.16,15.87 152.5,17.53 152.5,21.29 U5.25 ; v1(258.16,5.93) 257.96,6.13 231.41,6.13 229.01,3.73 217.57,3.73 216.57,4.73 v1(209.65,4.73) 206.12,4.73 203.82,7.03 159.88,7.03 158.98,6.13 151.83,6.13 v1(151.23,6.73) ; v1(150.47,48.98) v1(155.04,48.98)
  Bottom w0.2: U4.17 151.23,12.24 154.86,15.87 v1(155.14,15.87) ; v1(258.16,5.93) 258.16,6.57 258.78,7.18 258.78,34.4 256.64,36.54 256.64,58.13 255.37,59.4 255.37,59.4 U36.2 ; v1(155.04,48.98) 155.04,58.13 156.32,59.41 156.32,60.68 ; U5.25 151.22,30.2 149.96,31.46 149.96,39.08 151.23,40.35 U8.25 151.23,46.7 150.47,47.46 v1(150.47,48.98) ; v1(209.65,4.73) 209.65,12.38 U13.6
/cpu/A9: length 237
  Top w0.2: v1(147.42,48.22) 147.58,48.38 v1(152.5,48.38) ; v1(258.92,6.33) 258.72,6.53 231.24,6.53 228.84,4.13 218.66,4.13 217.66,5.13 v1(217.27,5.13) 217.27,5.3 217.24,5.33 206.09,5.33 203.98,7.43 159.71,7.43 158.99,6.71 153.79,6.71 v1(153.77,6.73) ; v1(154.28,14.44) 153.01,14.44 149.96,17.49 149.96,21.29 U5.24
  Bottom w0.2: v1(147.42,48.22) 148.69,46.95 U8.24 148.69,40.35 147.42,39.08 147.42,31.46 148.68,30.2 U5.24 ; v1(258.92,6.33) 259.18,6.59 259.18,58.13 260.46,59.4 U36.4 ; U4.18 153.77,13.93 v1(154.28,14.44) ; U13.10 217.45,10.02 217.45,5.31 v1(217.27,5.13) ; v1(152.5,48.38) 152.5,58.13 153.78,59.41 RN4.3
/cpu/A10: length 254.6
  Top w0.2: v1(139.8,48.73) 140.05,48.98 v1(149.45,48.98) ; U36.6 264.43,61.78 212.54,61.78 v1(212.19,61.43) ; v1(189.33,18) 193.9,18 194.41,17.49 208.38,17.49 v1(209.14,16.73) ; v1(212.19,19.43) 212.47,19.14 216.18,19.14 216.58,18.74 U13.13 ; v1(187.66,10.52) 187.37,10.23 156.26,10.23 v1(156.06,10.03) 155.86,10.23 144.52,10.23 142.06,12.69 v1(141.83,12.69) ; v1(141.07,20.28) 141.52,20.28 142.34,19.46 142.34,18.09 v1(142.94,17.49)
  Bottom w0.2: U4.19 156.31,9.78 v1(156.06,10.03) ; v1(212.19,61.43) v1(212.19,19.43) 212.19,15.46 211.68,14.95 210.16,14.95 209.14,15.96 v1(209.14,16.73) ; v1(189.33,18) 189.33,12.19 v1(187.66,10.52) ; RN4.4 151.25,59.41 149.96,58.13 149.96,49.49 v1(149.45,48.98) ; v1(139.8,48.73) 139.8,47.97 141.07,46.7 U8.21 141.07,40.35 139.8,39.08 139.8,31.46 141.06,30.2 U5.21 141.06,21.05 141.07,21.04 v1(141.07,20.28) ; v1(141.83,12.69) 142.81,13.66 142.81,17.36 v1(142.94,17.49)
/cpu/A11: length 245.8
  Top w0.2: v1(147.42,49.58) v1(144.88,49.58) ; v1(158.85,7.63) 159.05,7.83 204.15,7.83 206.25,5.73 217.62,5.73 218.82,4.53 224.04,4.53 v1(224.64,5.13) ; U5.23 146.14,21.31 147.42,20.03 147.42,17.74 151.33,13.83 158.75,13.83 158.85,13.93 v1(158.85,14.03) ; v1(223.62,62.45) 223.89,62.18 269.12,62.18 U36.8
  Bottom w0.2: v1(147.42,49.58) 147.42,58.13 148.71,59.41 RN4.5 ; v1(224.64,5.13) 224.02,5.74 224.02,19.63 U14.3 223.62,22.54 v1(223.62,62.45) ; U5.23 146.14,30.2 144.88,31.46 144.88,39.08 146.15,40.35 U8.23 146.15,46.7 144.88,47.97 v1(144.88,49.58) ; U4.20 v1(158.85,14.03)
/cpu/A12: length 308.3
  Top w0.2: v1(223.62,5.13) 223.6,5.11 218.8,5.11 217.79,6.13 206.42,6.13 204.31,8.23 157.44,8.23 156.52,7.31 v1(154.37,7.31) 154.35,7.33 147.67,7.33 147.05,6.71 135.62,6.71 131.66,10.66 125.17,10.66 124.37,11.46 76.48,11.46 75.4,12.54 72.88,12.54 70.71,10.38 69,10.38 66.84,12.54 19.16,12.54 v1(18.9,12.28) ; 146.16,60.68 148.21,58.64 154.53,58.64 U8.2
  Bottom w0.2: U14.6 223.62,12.41 v1(223.62,5.13) ; v1(154.37,7.31) 154.17,7.51 154.17,13.42 156.31,15.56 U4.22 156.31,20.03 157.58,21.3 157.58,30.19 156.3,31.47 U5.2 156.3,39.07 157.58,40.35 157.58,46.7 156.31,47.97 U8.2 ; U3.1 18.53,33.34 18.53,13.93 18.9,13.57 v1(18.9,12.28)
/cpu/A13: length 307.4
  Top w0.2: v1(151.83,49.58) 151.16,50.25 v1(145.39,50.25) ; v1(18.13,13.17) 18.36,12.94 75.56,12.94 76.64,11.86 124.54,11.86 125.34,11.06 131.83,11.06 135.78,7.11 146.31,7.11 v1(146.91,7.71) 147.11,7.91 156.55,7.91 157.28,8.63 204.48,8.63 206.58,6.53 217.95,6.53 218.97,5.51 221.3,5.51 221.52,5.73 226.81,5.73 227.41,5.13 228.59,5.13 229.57,6.11 v1(229.86,6.11)
  Bottom w0.2: U3.2 18.13,31.2 v1(18.13,13.17) ; v1(229.86,6.11) 229.86,6.17 228.89,7.14 228.89,10.02 U14.10 ; v1(145.39,50.25) 144.88,50.76 144.88,58.13 143.62,59.38 RN4.7 ; v1(146.91,7.71) 146.91,9.19 153.77,16.04 U4.23 153.77,22.56 U5.26 153.76,30.2 152.5,31.46 152.5,39.08 153.77,40.35 U8.26 153.77,45.99 151.83,47.93 v1(151.83,49.58)
